# Altium PCB MB1364.PcbDoc (part 3 of 4) (continued)
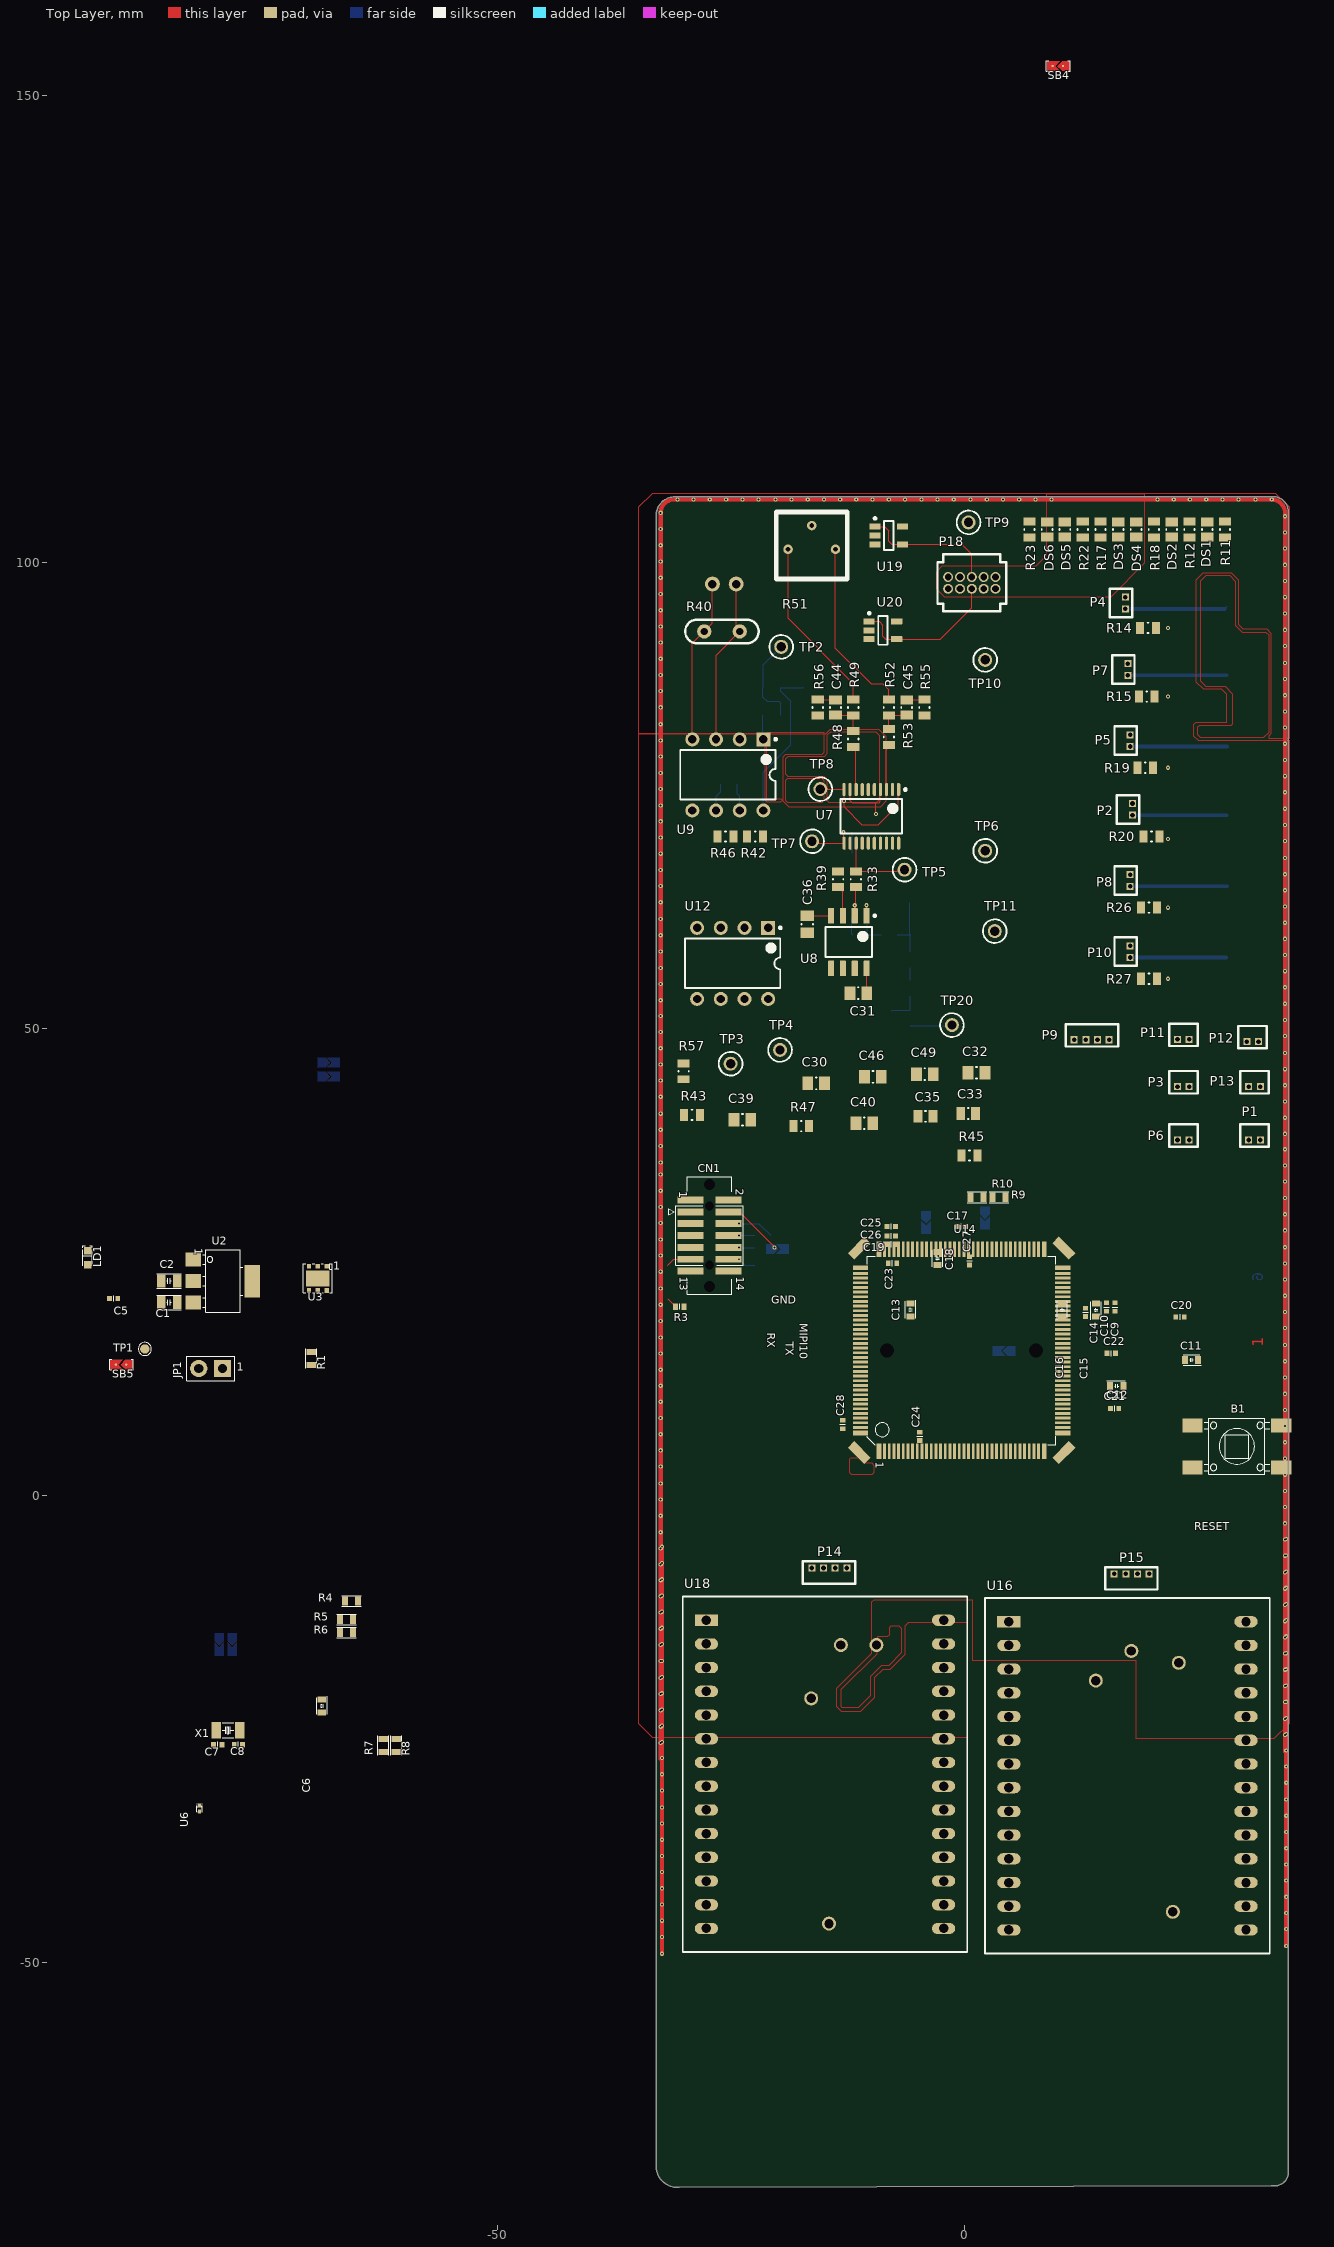
[diagram p0: Top Layer view]
## Nets (pads, with @x,y where several pads share a name; then routed paths per layer and width w, separated by ;. In a path a pad name is that pad's centre, name@x,y a point inside that pad or via, vN(x,y) a via of type N, cw(c..) or ccw(c..) an arc to the next point about the centre after c; other vN are vias at no path point) (continued)
  other v1: -28.984,106.716 -25.497,106.716 -22.034,106.716 -16.759,106.716 -8.072,106.716 -4.584,106.716 -1.122,106.716 0.691,106.716 7.628,106.716 9.353,106.716
GNDDetect: CN1.11 R3.2 | length 3.8
  Top Layer w0.12: -31.736,21.074 R3.2@-30.916,20.254 ; -31.736,24.699 -31.101,25.334 CN1.11@-29.323,25.334
Heartbeat: 
IOREF: SB1.2 SB3.2
"Lid Thermistor": P13.2 R30.1
Long_Black: P15.2 U16.25
Long_Blue: C50.2 P15.1 U16.27
Long_Out: TP13.1 U15.1 U15.2
Long_Raw: R65.1 TP12.1 U16.19
Long_Yellow: P15.3 U16.24
"Meter Heater FET": R15.1
"Meter Thermistor 1": P9.2 R25.1
"Meter Thermistor 2": P9.4 R24.1
Meter_Htr_LED: DS2.2 R12.2
Meter_Htr_Out: P7.1 Q2.4 R12.1 | length 10.7
  Bottom Layer w0.12: Q2.4@28.106,87.884 Q2.4@28.2,87.79
  Bottom Layer w0.4: P7.1@17.526,87.884 Q2.4@28.106,87.884
NetC3_2: SB4.1 U3.4 U3.5
NetC5_1: C5.1 U3.1
NetC29_1: C29.1 R31.2 R33.1 U8.2 | length 7.6
  Top Layer w0.12: v1(-11.722,63.246) U8.2@-11.722,62.134 -11.595,62.261 R33.1@-11.595,65.19
  Bottom Layer w0.12: C29.1@-12.014,60.071 -12.064,60.121 R31.2@-12.064,61.976 -11.722,62.318 v1(-11.722,63.246)
NetC33_2: C33.2 R35.1 R36.2 | length 1.3
  Bottom Layer w0.12: R36.2@-5.753,55.206 R35.1@-5.753,56.554
NetC34_2: C34.2 R36.1 R37.2 | length 3.5
  Bottom Layer w0.12: C34.2@-7.785,51.981 -5.803,51.981 R37.2@-5.753,52.031 R36.1@-5.753,53.506
NetC37_2: C37.2 R32.1 R34.1 R35.2 | length 6.7
  Bottom Layer w0.12: R34.1@-7.189,60.071 C37.2@-5.791,60.071 ; R32.1@-5.841,63.5 -5.841,60.121 C37.2@-5.791,60.071 ; R35.2@-5.753,58.254 -5.753,60.033 C37.2@-5.791,60.071
NetC38_1: C38.1 U9.7 | length 2.9
  Bottom Layer w0.12: C38.1@-24.284,76.2 -24.284,75.173 -24.041,74.93 U9.7@-24.041,73.406
NetC38_2: C38.2 U9.6 | length 3
  Bottom Layer w0.12: U9.6@-26.581,73.406 -26.581,74.93 -26.084,75.427 C38.2@-26.084,76.2
NetC39_1: C39.1 U9.1 U10.3 | length 2.6
  Bottom Layer w0.12: U10.3@-21.562,83.615 -21.562,81.087 U9.1@-21.501,81.026
NetC44_1: C44.1 R56.2 U19.3 | length 1.9
  Top Layer w0.12: R56.2@-15.69,85.3 -15.64,85.25 C44.1@-13.785,85.25
NetC44_2: C44.2 R48.1 R49.2 | length 3.4
  Top Layer w0.12: C44.2@-13.785,83.65 -13.735,83.6 R49.2@-11.88,83.6 ; R48.1@-11.88,81.91 R49.2@-11.88,83.385
NetC45_1: C45.1 R55.2 U20.3 | length 1.9
  Top Layer w0.12: C45.1@-6.165,85.25 -4.31,85.25 R55.2@-4.26,85.3
NetC45_2: C45.2 R52.1 R53.2 | length 3.4
  Top Layer w0.12: R53.2@-8.07,81.91 R53.2@-8.07,82.125 R52.1@-8.07,83.385 ; R52.1@-8.07,83.6 -6.215,83.6 C45.2@-6.165,83.65
NetC47_1: C47.1 U12.7
NetC47_2: C47.2 U12.6
NetC48_1: C48.1 U12.1 U12.2 U13.3
NetC50_1: C50.1 U16.28
NetC52_1: C52.1 U16.21
NetC52_2: C52.2 U16.20
NetC54_1: C54.1 U18.28
NetC55_1: C55.1 U18.21
NetC55_2: C55.2 U18.20
NetLD1_1: LD1.1 R1.1
NetP17_2: P17.2 R40.1 U9.3 | length 17.8
  Top Layer w0.12: U9.3@-26.581,81.026 -26.581,90.043 R40.1@-24.041,92.583 -24.422,92.964 P17.2@-24.422,97.663
NetQ1_1: Q1.1 R14.2
  other v1: 21.844,92.964
NetQ2_1: Q2.1 R15.2
  other v1: 21.844,85.598
NetQ3_1: Q3.1 R19.2
  other v1: 21.844,77.978
NetQ4_1: Q4.1 R20.2
  other v1: 21.844,70.358
NetQ5_1: Q5.1 R26.2
  other v1: 21.844,62.992
NetQ6_1: Q6.1 R27.2
  other v1: 21.844,55.372
NetR5_1: R5.1 R6.1 U14.143
NetR39_2: R39.2 U8.3 | length 3.3
  Top Layer w0.12: R39.2@-13.5,65.19 -12.992,64.682 U8.3@-12.992,62.134
NetR41_1: R41.1 R45.2
NetR44_1: R44.1 U11.3 | length 1.7
  Bottom Layer w0.12: U11.3@-11.026,74.219 -9.473,74.219 R44.1@-9.397,74.295
NetR49_1: R49.1 R51.1 | length 19
  Top Layer w0.12: R51.1@-18.865,101.38 -18.865,93.975 -11.88,86.99 R49.1@-11.88,85.3
NetR51_3: R51.3 R52.2 | length 19.2
  Top Layer w0.12: R51.3@-13.785,101.38 -13.785,90.8 -9.975,86.99 -8.705,86.99 -8.07,86.355 R52.2@-8.07,85.3
NetR58_1: R58.1 U16.18
NetR58_2: R58.2 U16.17
NetR59_1: R59.1 R65.2 U15.6
NetR59_2: R59.2 TP14.1 U15.3 U15.7
NetR60_1: R60.1 R61.1 U16.2
NetR60_2: R60.2 U16.1
NetR61_2: R61.2 U16.3
NetR62_1: R62.1 U18.18
NetR62_2: R62.2 U18.17
NetR64_1: R64.1 U16.5
NetR64_2: R64.2 U16.6
NetR66_1: R66.1 R70.2 U15.5
NetR67_1: R67.1 R69.1 U16.11
NetR67_2: R67.2 U16.10
NetR69_2: R69.2 U16.12
NetR73_1: R73.1 R74.1 U18.2
NetR73_2: R73.2 U18.1
NetR74_2: R74.2 U18.3
NetR75_1: R75.1 R82.2 U17.6
NetR75_2: R75.2 TP18.1 U17.3 U17.7
NetR77_1: R77.1 R78.1
NetR77_2: R77.2 U18.5
NetR78_2: R78.2 U18.6
NetR79_1: R79.1 R81.1 U18.11
NetR79_2: R79.2 U18.10
NetR81_2: R81.2 U18.12
NetR83_1: R83.1 R84.2 U17.5
NetSB8_1: SB8.1 U14.38
NetSB9_2: SB9.2 U14.121
NetSB10_2: SB10.2 U14.95
NRST: B1.1 B1.2 C6.2 CN1.12 U5.5 U6.1 U14.25 | length 1.9
  Bottom Layer w0.12: v1(-24.116,25.334) -23.496,24.714 U5.5@-22.426,24.714
OSC32_IN: C7.1 R7.2 X1.2
OSC32_OUT: C8.1 R8.2 X1.1
PA0: U14.34
PA1: U14.35
PA2: U14.36
PA3: U14.37
PA4: U14.40
PA5: U14.41
PA6: U14.42
PA7: U14.43
PA8: U14.100
PA9: U14.101
PA10: U14.102
PA11: U14.103
PA12: U14.104
PA13: CN1.4 U4.5 U14.105 | length 6.5
  Top Layer w0.12: CN1.4@-25.259,30.414 -24.116,30.414 v1(-20.306,26.604)
PA14: CN1.6 U4.4 U14.109 | length 3.9
  Bottom Layer w0.12: v1(-24.116,29.144) -21.981,29.144 U4.4@-20.726,27.889
PA15: CN1.10 U4.1 U14.110 | length 1.7
  Bottom Layer w0.12: v1(-24.116,26.604) -24.101,26.589 U4.1@-22.426,26.589
PB0: U14.46
PB1: U14.47
PB2: U14.48
PB3: CN1.8 U4.3 U14.133 | length 1.7
  Bottom Layer w0.12: v1(-24.116,27.874) -24.101,27.889 U4.3@-22.426,27.889
PB4: U14.134
PB5: U14.135
PB6: U14.136
PB7: U14.137
PB8: U14.139
PB9: U14.140
PB10: U14.69
PB11: U14.70
PB12: U14.73
PB13: U14.74
PB14: U14.75
PB15: U14.76
PC0: U14.26
PC1: U14.27
PC2: U14.28
PC3: U14.29
PC4: U14.44
PC5: U14.45
PC6: U14.96
PC7: U14.97
PC8: U14.98
PC9: U14.99
PC10: U14.111
PC11: U14.112
PC12: U14.113
PC13: U14.7
PC14: SB6.1
PC14-OSC32_IN: R7.1 SB6.2 U14.8
PC15: SB7.1
PC15-OSC32_OUT: R8.1 SB7.2 U14.9
PD0: U14.114
PD1: U14.115
PD2: U14.116
PD3: U14.117
PD4: U14.118
PD5: U14.119
PD6: U14.122
PD7: U14.123
PD8: U14.77
PD9: U14.78
PD10: U14.79
PD11: U14.80
PD12: U14.81
PD13: U14.82
PD14: U14.85
PD15: U14.86
PE0: U14.141
PE1: U14.142
PE2: U14.1
PE3: U14.2
PE4: U14.3
PE5: U14.4
PE6: U14.5
PE6\: 
PE7: U14.58
PE8: U14.59
PE9: U14.60
PE10: U14.63
PE11: U14.64
PE12: U14.65
PE13: U14.66
PE14: U14.67
PE15: U14.68
PF0: U14.10
PF1: U14.11
PF2: U14.12
PF3: U14.13
PF4: U14.14
PF5: U14.15
PF6: U14.18
PF7: U14.19
PF8: U14.20
PF9: U14.21
PF10: U14.22
PF11: U14.49
PF12: U14.50
PF13: U14.53
PF14: U14.54
PF15: U14.55
PG0: U14.56
PG1: U14.57
PG2: U14.87
PG3: U14.88
PG4: U14.89
PG5: U14.90
PG6: U14.91
PG7: U14.92
PG8: U14.93
PG9: U14.124
PG10: U14.125
PG11: U14.126
PG12: U14.127
PG13: U14.128
PG14: U14.129
PG15: U14.132
PH0-OSC_IN: U14.23
PH1-OSC_OUT: U14.24
PLATE_N: P18.6 TP9.1 U19.1 U19.4 | length 14.7
  Top Layer w0.12: U19.1@-9.545,103.815 -8.52,103.815 -8.07,103.365 -8.07,102.23 -7.755,101.915 U19.4@-6.595,101.915 -0.262,101.915 0.82,100.833 P18.6@0.82,98.42
PLATE_P: P18.5 TP10.1 U20.1 U20.4 | length 15.9
  Top Layer w0.12: U20.1@-10.18,93.655 -9.12,93.655 -8.705,93.24 -8.705,92.07 -8.39,91.755 U20.4@-7.23,91.755 -2.545,91.755 0.82,95.12 P18.5@0.82,97.15
"Power A0": 
"Power A1": 
"Power A2": 
PWM1A: P18.10 TP11.1
PWM2B: TP8.1 U7.1 U7.10 U11.1 | length 13.6
  Top Layer w0.12: TP8.1@-15.405,75.692 -12.915,75.692 U7.10@-12.869,75.646 -12.869,74.426 v1(-12.865,74.422) -12.865,73.779 -10.968,71.882 -9.185,71.882 -7.044,74.023 -7.044,75.621 U7.1@-7.019,75.646
PWM2B_DELAY: TP7.1 U7.11 U11.6 | length 4.7
  Top Layer w0.12: TP7.1@-16.294,70.104 -16.086,69.896 U7.11@-12.869,69.896 -12.926,69.953 v1(-12.926,71.069)
SHAFT_FAULT: 
Sys_Pwr_Enable: 
T_VCP_RX: CN1.13
T_VCP_TX: CN1.14
"To ADC": C35.2 R37.1 TP20.1 | length 4.5
  Bottom Layer w0.12: R37.1@-5.753,50.331 -1.396,50.331 TP20.1@-1.308,50.419
TSP: R48.2 U7.8 | length 4
  Top Layer w0.12: R48.2@-11.88,80.21 -11.6,79.93 U7.8@-11.6,76.315
VCAP: C11.2 C12.2 U14.71 U14.106
VDD_MCU: C18.2 C19.2 C20.2 C21.2 C22.2 C23.2 C24.2 C25.2 C26.2 C27.2 C28.2 SB3.1
VDDA: C10.1 C14.1 C15.2 R9.2 R10.1 U14.33
VR_REF_Cross: C57.1 R83.2 TP19.1 U18.9
VR_REF_Long: C53.1 R66.2 TP15.1 U16.9
VREFP: C16.1 C17.2 R10.2 U14.32
ZH: P18.8 R43.2 TP2.1 U10.1 U10.4 | length 9.7
  Bottom Layer w0.12: U10.1@-19.662,83.615 -19.662,84.902 -19.85,85.09 -21.112,85.09 -21.562,85.54 U10.4@-21.562,86.565 -21.501,86.626 -21.501,89.027 TP2.1@-19.596,90.932
ZH_Reduced: R43.1 R47.2
ZP: C40.1 C42.2 P18.7 R42.2 TP4.1 U9.8 U10.5 | length 17.3
  Bottom Layer w0.12: U9.8@-21.501,73.406 -21.501,77.506 -18.562,80.445 -18.562,85.09 -19.662,86.19 U10.5@-19.662,86.565 -17.243,86.565 C42.2@-17.183,86.625
ZP_Reduced: R42.1 R46.2
pads on no net: CN1.0 CN1.1 CN1.2 CN1.9 P14.4 P15.4 U3.3 U5.1 U5.3 U5.4 U7.2 U7.15 U7.17 U7.18 U7.19 U7.20 U8.5 U8.6 U8.7 U9.2 U9.5 U12.3 U12.5 U14.0 U16.4 U16.8 U16.13 U16.14 U16.15 U16.16 U16.23 U16.26 U18.4 U18.8 U18.13 U18.14 U18.15 U18.16 U18.23 U18.26

## Polygon pours and split planes (outlines as drawn)
5V on Bottom Layer "NONET_L06_P036" (solid, remove dead copper, shelved, pour order 36): -15.659,78.754 -14.709,79.704 -14.709,81.479 -14.359,81.829 -9.384,81.829 -9.009,81.454 -9.009,74.604 -9.359,74.254 -14.534,74.254 -14.734,74.454 -14.734,76.404 -15.434,77.104 -15.659,77.329
no net on Bottom Layer "NONET_L06_P084" (solid, remove dead copper, shelved, pour order 84): -18.509,76.304 -18.859,75.954 -18.859,74.604 -18.534,74.279 -15.184,74.279 -14.934,74.529 -14.934,76.029 -15.209,76.304
VDD_MCU on Bottom Layer "NONET_L06_P086" (solid, remove dead copper, shelved, pour order 86): -2.409,-16.846 -1.959,-16.396 -1.959,8.943 -4.659,11.643 -4.659,13.229 -4.009,13.879 -2.209,13.879 -1.634,14.454 -1.634,17.729 -1.959,18.054 -4.009,18.054 -7.459,14.604 -7.459,6.479 -5.759,4.779 -5.759,-16.446 -5.359,-16.846
no net on Bottom Layer "NONET_L06_P126" (solid, remove dead copper, shelved, pour order 126): 0.641,-8.675 18.369,-8.675 18.369,-26 0.741,-26 0.641,-25.996
3V3_VDD on Bottom Layer "NONET_L06_P080" (solid, remove dead copper, shelved, pour order 80): -19.675,47.675 -19.32,47.32 -13.78,47.32 -13.4,47.7 -13.4,52.563 -8.584,57.379 -5.959,60.004 -5.138,60.825 2,60.825 2,71.47 0.766,72.704 -8.759,72.704 -9.109,72.354 -9.109,70.679 -8.959,70.529 -7.859,70.529 -7.559,70.229 -7.559,64.754 -19.675,52.638
GND on Bottom Layer "NONET_L06_P112" (solid, remove dead copper, shelved, pour order 112): -12.989,50.625 -13.025,50.661 -13.025,52.525 -8.521,57.029 -8.134,57.029 -8.134,49.187 -4.734,45.787 -4.734,18.004 -7.784,14.954 -7.784,6.279 -7.184,5.679 -6.034,4.529 -6.034,-16.546 -5.484,-17.096 -1.675,-17.096 -1.675,-25.796 -33.759,-25.796 -34.934,-24.621 -34.934,105.779 -33.359,107.354 -14.609,107.354 -14.559,107.304 -14.559,82.104 -15.034,81.629 -15.034,79.804 -15.909,78.929 -15.909,77.079 -16.309,76.679 -18.734,76.679 -19.209,76.204 -19.209,74.484 -18.579,73.854 -9.784,73.854 -9.759,73.829 -9.759,63.304 -12.231,60.831 -12.294,60.831 -19.9,53.225 -19.9,47.475 -19.425,47 -13.2,47 -12.989,47.211
GND on Bottom Layer "NONET_L06_P116" (solid, remove dead copper, shelved, pour order 116): -14.734,107.254 -14.734,82.279 -14.559,82.104 -9.259,82.104 -8.759,81.604 -8.759,73.479 -8.334,73.054 0.991,73.054 2.675,71.37 2.675,61.275 1.475,60.075 -5.313,60.075 -5.609,59.779 -9.134,56.254 -9.134,49.084 -5.309,45.259 -5.309,27.054 -5.734,26.629 -5.734,18.804 -5.309,18.379 -1.759,18.379 -1.209,17.829 -1.209,14.354 -2.009,13.554 -3.809,13.554 -4.234,13.129 -4.234,11.729 -1.684,9.179 -1.684,-5.7 21.4,-5.7 21.4,-25.946 33.491,-25.946 34.916,-24.521 34.916,106.004 33.666,107.254 -13.459,107.254
no net on Signal Layer 3 "NONET_L04_P044" (solid, remove dead copper, shelved, pour order 44): -2.309,10.074 -3.309,9.074 -3.309,-1.876 -1.884,-3.301 14.116,-3.301 14.916,-2.501 14.916,9.574 14.416,10.074
3V3_PER on Signal Layer 3 "NONET_L04_P118" (solid, remove dead copper, shelved, pour order 118): -3.913,-10.288 -3.925,-10.275 -3.915,-1.715 -4.584,-1.046 -4.584,9.254 -7.609,9.254 -7.609,-7.316 -6.559,-8.366 -6.559,-24.496 -6.084,-24.971 -0.884,-24.971 -0.334,-24.421 -0.334,-21.3 -3.925,-17.737 -3.925,-10.3
no net on Signal Layer 3 "NONET_L04_P032" (solid, remove dead copper, shelved, pour order 32): -15.209,74.254 -14.959,74.504 -14.959,76.004 -15.084,76.129 -18.584,76.129 -18.734,75.979 -18.734,74.429 -18.559,74.254
5V on Signal Layer 3 "NONET_L04_P030" (solid, remove dead copper, shelved, pour order 30): -15.659,78.754 -14.709,79.704 -14.709,81.479 -14.359,81.829 -9.384,81.829 -9.009,81.454 -9.009,74.604 -9.359,74.254 -14.534,74.254 -14.734,74.454 -14.734,76.404 -15.434,77.104 -15.659,77.329
3V3 on Signal Layer 3 "NONET_L04_P070" (solid, remove dead copper, shelved, pour order 70): 18.116,81.229 18.391,80.954 18.391,70.904 18.116,70.629 15.641,70.629 15.416,70.854 15.416,71.154 17.091,72.829 17.091,81.004 17.316,81.229
GND on Signal Layer 3 "NONET_L04_P102" (solid, remove dead copper, shelved, pour order 102): -13.609,70.254 -13.234,69.879 -13.234,65.179 -13.459,64.954 -14.409,64.954 -15.534,66.079 -15.534,69.654 -14.934,70.254
no net on Signal Layer 3 "NONET_L04_P046" (solid, remove dead copper, shelved, pour order 46): -3.841,12.736 -4.691,11.886 -4.691,7.885 -3.813,7.007 11.459,7.007 11.459,12.086 10.809,12.736
VDD_MCU on Signal Layer 3 "NONET_L04_P012" (solid, remove dead copper, shelved, pour order 12): 12.75,15.525 12.7,15.575 12.7,25.8 13.694,26.794 13.694,29.094 14.31,29.71 14.31,30.396 14.67,30.756 14.67,47.809 13.675,48.804 13.675,54.3 14.425,55.05 14.4,55.075 14.4,56.175 12.7,57.875 12.7,68.075 11.396,69.379 -13.134,69.379 -13.134,15.604 -9.734,15.604 -7.834,13.704 10.929,13.704
3V3_PER on Signal Layer 3 "NONET_L04_P072" (solid, remove dead copper, shelved, pour order 72): 12.435,70.26 -3.594,70.26 -4.659,71.325 -4.659,73.329 0.091,78.079 3.191,78.079 3.791,78.679 3.791,82.529 4.166,82.904 5.591,82.904 5.591,82.879 8.291,80.179 9.841,80.179 11.416,78.604 11.416,74.479 16.516,69.379 16.516,68.804 13.891,68.804
3V3_PER on Signal Layer 3 "NONET_L04_P074" (solid, remove dead copper, shelved, pour order 74): -0.459,75.129 -4.359,71.229 -16.159,71.229 -17.15,70.238 -17.15,67.87 -16.834,67.554 -16.834,65.729 -14.659,63.554 -14.659,62.154 -15.034,61.779 -16.509,61.779 -17.434,62.704 -17.434,63.979 -18.484,65.029 -18.484,66.929 -19.459,67.904 -19.459,70.254 -16.259,73.454 -4.984,73.454 -0.609,77.829 -0.459,77.679
GND on Signal Layer 3 "NONET_L04_P108" (solid, remove dead copper, shelved, pour order 108): -28.409,-16.096 -34.809,-16.096 -34.909,-16.196 -34.909,-24.371 -33.309,-25.971 -6.409,-25.971 -6.259,-25.821 -6.259,-25.146 -6.809,-24.596 -6.809,-21.234 -6.809,-8.796 -8.184,-7.421 -8.184,9.379 -8.184,13.704 -8.634,14.154 -9.93,15.45 -12.85,15.45 -13.334,14.966 -13.334,-10.171 -22.059,-18.896 -26.909,-18.896 -27.609,-18.196 -27.609,-16.896
3V3_PER on Signal Layer 3 "NONET_L04_P120" (solid, remove dead copper, shelved, pour order 120): 16.447,10.443 -6.253,10.443 -7.237,9.459 -7.237,4.502 -6.103,3.368 -4.228,3.368 -4.228,7.193 -3.078,8.343 -3.053,8.318 16.447,8.318
no net on Signal Layer 3 "NONET_L04_P040" (solid, remove dead copper, shelved, pour order 40): 28.716,87.591 27.554,86.429 15.141,86.429 0.641,100.929 0.641,103.779 1.741,104.879 27.641,104.879 28.716,103.804 28.716,98.829
no net on Signal Layer 3 "NONET_L04_P042" (solid, remove dead copper, shelved, pour order 42): -1.134,106.179 -0.309,105.354 -0.309,102.554 -0.284,102.529 -0.284,100.504 9.966,90.254 9.966,84.404 8.766,83.204 -19.234,83.204 -20.459,84.429 -20.459,105.429 -19.709,106.179
5V on Signal Layer 3 "NONET_L04_P066" (solid, remove dead copper, shelved, pour order 66): -33.384,87.729 -33.384,88.129 -32.884,88.629 -30.184,88.629 -29.684,88.129 -29.684,69.454 -25.084,64.854 -25.084,57.354 -24.534,56.804 -22.659,56.804 -22.444,56.589 -22.444,53.819 -22.634,53.629 -24.509,53.629 -25.109,53.029 -25.109,50.554 -27.259,48.404 -27.259,-14.746 -28.284,-15.771 -33.784,-15.771 -34.109,-15.446 -34.109,54.104 -32.859,55.354 -30.659,55.354 -28.384,57.629 -28.384,58.904 -29.109,59.629 -32.809,59.629 -33.384,60.204
3V3_VDD on Signal Layer 3 "NONET_L04_P078" (solid, remove dead copper, shelved, pour order 78): -13.65,49.975 -14.225,50.55 -17.55,50.55 -19.125,48.975 -19.125,41.625 -20.8,39.979 -24.684,39.979 -26.484,38.179 -26.484,13.554 -25.029,12.099 -23.504,12.099 -18.634,7.229 -18.634,-7.946 -27.384,-16.696 -27.384,-17.796 -27.409,-17.821 -26.509,-18.721 -22.284,-18.721 -13.559,-9.996 -13.559,14.91 -13.65,15.001
GND on Signal Layer 3 "NONET_L04_P100" (solid, remove dead copper, shelved, pour order 100): -13.409,55.477 -13.425,55.461 -13.425,51.5 -14,50.925 -17.873,50.925 -17.886,50.939 -18.596,50.229 -19.7,49.125 -19.7,41.925 -21.2,40.425 -26.075,40.425 -26.925,41.275 -26.925,45.817 -26.934,45.826 -26.934,48.229 -24.934,50.229 -24.934,52.379 -24.034,53.279 -22.534,53.279 -22.034,53.779 -22.034,56.679 -22.409,57.054 -23.909,57.054 -24.784,57.929 -24.784,65.229 -29.134,69.579 -29.134,88.279 -29.909,89.054 -33.034,89.054 -33.409,88.679 -34.884,88.679 -34.884,105.829 -33.534,107.179 -19.359,107.179 -20.884,105.654 -20.884,84.154 -19.859,83.129 -19.859,83.104 -19.684,82.929 3.166,82.929 3.491,82.604 3.491,79.779 3.191,79.479 -0.434,79.479 -1.484,78.429 -1.484,77.354 -5.109,73.729 -8.384,73.729 -8.759,74.104 -8.759,81.604 -9.234,82.079 -14.559,82.079 -14.984,81.654 -14.984,80.004 -15.934,79.054 -15.934,77.229 -15.509,76.804 -15.509,76.379 -18.684,76.379 -18.909,76.154 -18.909,71.729 -19.984,70.654 -19.984,67.629 -19.084,66.729 -19.084,65.229 -18.059,64.204 -18.059,62.229 -17.209,61.379 -14.284,61.379 -13.409,60.504 -13.409,58.804
GND on Signal Layer 3 "NONET_L04_P104" (solid, remove dead copper, shelved, pour order 104): 23.912,10.813 23.9,10.825 16.175,10.825 15.25,9.9 15.25,-7.725 17.5,-9.975 17.541,-10.825 17.541,-25.771 17.666,-25.896 33.416,-25.896 34.966,-24.346 34.966,105.879 33.691,107.154 -0.809,107.154 -0.909,107.054 -0.909,106.504 0.391,105.204 27.816,105.204 29.091,103.929 29.091,98.654 29.091,86.841 28.254,86.004 14.866,86.004 12.666,88.204 10.866,88.204 10.441,87.779 10.441,84.329 8.916,82.804 6.766,82.804 6.491,82.529 6.491,82.254 8.391,80.354 10.041,80.354 11.741,78.654 11.741,74.654 14.616,71.779 15.666,71.779 16.816,72.929 16.816,81.179 17.116,81.479 18.241,81.479 18.641,81.079 18.641,70.579 24.866,64.354 24.866,46.404 28.991,42.279 28.991,15.891
GND on Signal Layer 3 "NONET_L04_P106" (solid, remove dead copper, shelved, pour order 106): -26.759,11.229 -23.264,11.229 -19.209,7.174 -19.209,-7.721 -26.009,-14.521 -26.759,-14.521
3V3_PER on Signal Layer 3 "NONET_L04_P122" (solid, remove dead copper, shelved, pour order 122): 14.813,56.563 14.8,56.55 14.8,55.05 14,54.25 14,46.789 14.875,45.914 14.875,30.673 13.9,29.698 13.9,26.839 12.825,25.764 12.825,19.075 13.05,18.85 13.025,18.825 13.025,15.25 11.615,13.84 11.6,13.125 11.6,11.35 18.648,11.35 18.726,11.428 18.744,11.444 23.306,11.444 28.216,16.354 28.216,42.204 24.141,46.279 24.141,64.629 19.091,69.679 13.016,69.679 13.016,58.359
no net on Top Layer "NONET_L01_P026" (solid, remove dead copper, shelved, pour order 26): -18.959,76.829 -19.184,76.604 -19.184,74.504 -18.959,74.279 -15.184,74.279 -14.984,74.479 -14.984,76.604 -15.209,76.829
GND on Top Layer "NONET_L01_P024" (solid, remove dead copper, shelved, pour order 24): -19.459,74.504 -19.684,74.279 -21.109,74.279 -21.334,74.504 -21.334,81.429 -20.959,81.804 -15.034,81.804 -15.034,79.604 -15.259,79.379 -19.184,79.379 -19.459,79.104
5V on Top Layer "NONET_L01_P028" (solid, remove dead copper, shelved, pour order 28): -18.909,79.154 -19.184,78.879 -19.184,77.354 -18.909,77.079 -15.034,77.079 -14.709,76.754 -14.709,74.479 -14.509,74.279 -9.359,74.279 -9.034,74.604 -9.034,81.429 -9.409,81.804 -14.359,81.804 -14.709,81.454 -14.709,79.454 -15.009,79.154
5V on Top Layer "NONET_L01_P064" (solid, remove dead copper, shelved, pour order 64): -12.166,4.036 -12.316,3.886 -12.316,2.536 -12.091,2.311 -9.841,2.311 -9.616,2.536 -9.616,3.236 -9.841,3.461 -10.491,3.461 -11.066,4.036
no net on Top Layer "NONET_L01_P068" (solid, remove dead copper, shelved, pour order 68): -7.009,-13.921 -6.734,-14.196 -6.734,-16.846 -8.084,-18.196 -8.884,-18.196 -10.059,-19.371 -10.059,-21.446 -11.334,-22.721 -13.034,-22.721 -13.159,-22.596 -13.159,-20.746 -9.334,-16.921 -9.334,-15.221 -9.184,-15.071 -8.184,-15.071 -7.984,-14.871 -7.984,-14.096 -7.809,-13.921
GND on Top Layer "NONET_L01_P022" (solid, remove dead copper, shelved, pour order 22): 8.791,107.304 8.791,100.679 7.666,99.554 -2.384,99.554 -3.009,98.929 -3.009,97.179 -2.134,96.304 15.741,96.304 19.366,99.929 19.366,107.304
5V on Top Layer "NONET_L01_P038" (solid, remove dead copper, shelved, pour order 38): 25.854,98.529 25.291,97.966 25.291,87.284 25.871,86.704 27.941,86.704 28.716,85.929 28.716,82.629 28.566,82.479 25.166,82.479 24.991,82.304 24.991,81.554 25.291,81.254 32.116,81.254 32.666,81.804 32.666,92.154 32.366,92.454 29.866,92.454 29.116,93.204 29.116,97.929 28.516,98.529
GND on Top Layer "NONET_L01_P114" (solid, remove dead copper, shelved, pour order 114): -33.426,107.34 -34.888,105.879 -34.888,81.629 -14.838,81.629 -14.338,82.129 -9.138,82.129 -8.388,81.379 -8.388,74.379 -9.013,73.754 -18.713,73.754 -19.588,74.629 -21.138,74.629 -21.138,81.629 -34.888,81.629 -34.888,-24.371 -33.388,-25.871 0.362,-25.871 0.362,-13.621 -6.013,-13.621 -6.388,-13.996 -6.388,-17.021 -7.988,-18.621 -8.738,-18.621 -9.638,-19.521 -9.638,-21.621 -11.138,-23.121 -13.138,-23.121 -13.638,-22.621 -13.638,-20.621 -9.888,-16.871 -9.888,-11.371 -9.638,-11.121 0.862,-11.121 0.862,-17.621 18.362,-17.621 18.365,-26 33.233,-26 34.862,-24.371 34.862,80.879 25.112,80.879 24.612,81.379 24.612,82.629 24.862,82.879 28.112,82.879 28.112,85.879 27.612,86.379 25.646,86.379 24.862,87.163 24.862,98.137 25.604,98.879 28.612,98.879 29.362,98.129 29.362,93.379 29.862,92.879 32.392,92.879 32.392,92.849 32.862,92.379 32.862,81.629 32.612,81.379 32.612,81.129 34.862,81.129 34.862,105.879 33.401,107.34
5V on Signal Layer 2 "NONET_L03_P034" (solid, remove dead copper, shelved, pour order 34): -15.634,78.779 -14.684,79.729 -14.684,81.504 -14.334,81.854 -9.359,81.854 -8.984,81.479 -8.984,74.629 -9.334,74.279 -14.509,74.279 -14.709,74.479 -14.709,76.429 -15.409,77.129 -15.634,77.354
VDD_MCU on Signal Layer 2 "NONET_L03_P088" (solid, remove dead copper, shelved, pour order 88): -16.834,61.354 -17.084,61.104 -17.084,60.479 -16.734,60.129 -10.809,60.129 -7.059,56.379 6.591,56.379 7.166,56.954 7.166,59.304 6.641,59.829 -3.109,59.829 -4.634,61.354
5V on Signal Layer 2 "NONET_L03_P060" (solid, remove dead copper, shelved, pour order 60): 25.527,87.837 26.18,87.079 31.579,87.079 32.525,88.025 32.525,95.75 27.871,100.404 15.866,100.404 13.191,97.729 6.841,97.729 1.066,91.954 -8.734,91.954 -11.234,94.454 -30.459,94.454 -33.909,91.004 -33.909,87.079 -33.309,86.479 -31.059,86.479 -29.534,88.004 3.241,88.004 9.791,94.554 24.971,94.554 25.527,93.998
5V on Signal Layer 2 "NONET_L03_P062" (solid, remove dead copper, shelved, pour order 62): -19.134,-11.696 -21.684,-14.246 -33.559,-14.246 -33.909,-14.596 -33.909,-16.021 -33.284,-16.646 -20.209,-16.646 -17.184,-13.621 -7.909,-13.621 -7.634,-13.346 -7.634,-11.921 -7.859,-11.696
no net on Signal Layer 2 "NONET_L03_P082" (solid, remove dead copper, shelved, pour order 82): -22.559,78.079 -22.984,78.079 -23.809,77.254 -23.809,75.679 -22.434,74.304 -15.284,74.304 -15.009,74.579 -15.009,76.279 -15.634,76.904 -16.804,78.074 -17.659,78.074
GND on Signal Layer 2 "NONET_L03_P092" (solid, remove dead copper, shelved, pour order 92): -33,107.34 -33.014,107.354 -33.45,107.354 -35.009,105.795 -35.009,91.504 -34.834,91.329 -34.084,91.329 -30.609,94.804 -11.059,94.804 -8.609,92.354 0.841,92.354 6.566,98.079 13.041,98.079 15.816,100.854 28.146,100.854 33,96 33,88.025 31.054,86.079 34.816,86.079 34.816,106.004 33.491,107.329
GND on Signal Layer 2 "NONET_L03_P094" (solid, remove dead copper, shelved, pour order 94): -34.909,87.329 -34.609,87.329 -33.509,86.229 -30.834,86.229 -29.359,87.704 3.666,87.704 10.116,94.154 23.621,94.154 24.825,92.95 24.825,87.6 25.475,86.95 34.471,86.95 34.866,86.555 34.866,55.879 8.116,55.879 7.366,56.629 7.366,57.559 7.366,59.429 6.766,60.029 -3.034,60.029 -7.775,64.77 -7.775,80.795 -9.284,82.304 -14.509,82.304 -15.109,81.704 -15.109,79.829 -16.534,78.404 -23.259,78.404 -24.284,77.379 -24.284,74.529 -24.434,74.379 -34.659,74.379 -34.909,74.629
GND on Signal Layer 2 "NONET_L03_P096" (solid, remove dead copper, shelved, pour order 96): -8.334,74.8 -8.234,74.9 -0.6,74.9 1.49,72.81 1.49,64.615 -1.439,61.686 -4.699,61.693 -4.713,61.679 -16.909,61.679 -17.384,61.204 -17.384,60.379 -16.859,59.854 -11.109,59.854 -7.259,56.004 6.741,56.004 34.494,56 34.605,55.914 34.941,55.577 34.941,-13.796 34.916,-13.821 -7.384,-13.821 -7.384,-11.771 -7.684,-11.471 -19.309,-11.471 -21.834,-13.996 -33.684,-13.996 -34.422,-14.734 -34.747,-14.734 -34.884,-14.596 -34.884,78.829 -34.784,78.929 -27.509,78.929 -26.249,77.669 -24.6,77.669 -24.6,75.945 -22.759,74.104 -9.084,74.104 -8.334,74.854
GND on Signal Layer 2 "NONET_L03_P098" (solid, remove dead copper, shelved, pour order 98): -34.434,-15.971 -33.384,-17.021 -19.959,-17.021 -16.884,-13.946 -7.859,-13.946 -7.334,-13.421 -0.909,-13.421 -0.584,-13.096 -0.584,-12.946 0.291,-12.071 34.891,-12.071 34.941,-12.121 34.941,-24.796 33.816,-25.921 -33.784,-25.921 -34.784,-24.921 -34.784,-15.996 -34.809,-15.971
GND on Signal Layer 1 "NONET_L02_P020" (solid, remove dead copper, shelved, pour order 20): 0.266,-26 0.266,-14.571 2.241,-12.596 16.516,-12.596 18.666,-14.746 18.666,-17.571 18.491,-17.746 18.491,-26 34.037,-26 34.416,-25.621 35,-25.037 35,106.345 34.005,107.34 33,107.34 -35.034,107.379 -35.034,-25.071 -34.105,-26
GND on Signal Layer 4 "NONET_L05_P050" (solid, remove dead copper, shelved, pour order 50): 0.369,-25.921 0.369,-14.394 2.766,-11.996 14.991,-11.996 18.541,-15.546 18.541,-25.946 18.591,-25.921 33.541,-25.921 34.866,-24.596 34.866,105.829 33.466,107.229 -33.209,107.254 -33.484,107.254 -34.959,105.779 -34.959,-24.371 -33.409,-25.921

## Other copper
Top Layer:
  text "1" at 32.448,15.935 h2 r90
Signal Layer 1:
  text "2" at 32.448,17.185 h2 r90
Signal Layer 2:
  text "3" at 32.448,18.685 h2 r90
Signal Layer 3:
  text "4" at 32.448,20.935 h2 r90
Signal Layer 4:
  text "5" at 32.448,22.435 h2 r90
Bottom Layer:
  text "6" at 32.448,23.935 h2 r90
Multi-Layer:
  pour cut-out: 30.831,15.701 32.831,15.701 32.831,24.201 30.831,24.201

## Silkscreen, mask and mechanical layers (free items; w line width, h text height)
Top Overlay:
  text "GND" at -20.692,20.222 h1.5
  text "MIPI10" at -17.917,18.472 h1.5 r270
  text "RX" at -21.417,17.472 h1.5 r270
  text "TX" at -19.417,16.472 h1.5 r270
  text "RESET" at 24.662,-3.997 h1.5
Bottom Overlay:
  text "GND" at -20.692,21.422 h1.5 r180